# KiCad board 014_Sensor_PI_RS485 board.kicad_pcb
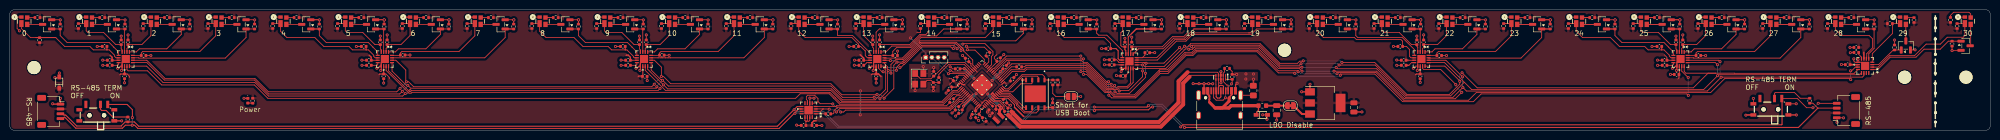
[diagram p0: board, top side]
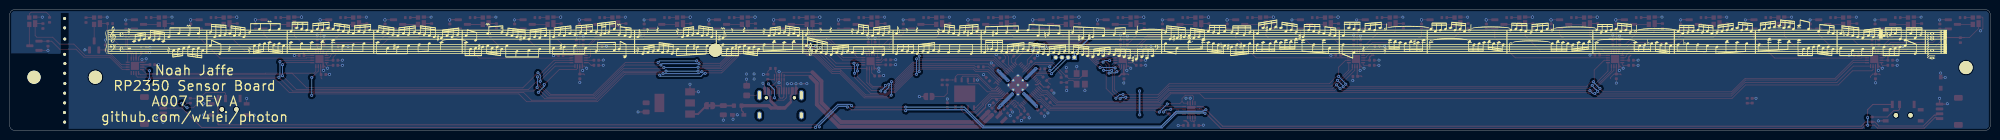
[diagram p1: board, bottom side, seen from below]

Outline 407.63 x 25 mm; copper layers: Top, Bottom. Coordinates in mm from the lower left corner of the outline.
Outline path: 0,24 arc(0.29,24.71) 1,25 406.63,25 arc(407.34,24.71) 407.63,24 407.63,1 arc(407.34,0.29) 406.63,0 1,0 arc(0.29,0.29) 0,1 0,24
Stack: Top 0.035mm / dielectric 1.51mm FR4 er 4.5 / Bottom 0.035mm

## Placement (name value [footprint] x y rotation side)
C1  10uF  [C_0805_2012Metric]  260.77 4.17 270 top
C2  4.7uF  [C_0402_1005Metric_small_pads]  201.94 4.64 225 top
C3  4.7uF  [C_0402_1005Metric_small_pads]  202.63 3.95 225 top
C4  10uF  [C_0805_2012Metric]  276.65 4.75 270 top
C5  100nF  [C_0402_1005Metric]  195.69 3.88 225 top
C6  4.7uF  [C_0402_1005Metric]  199.15 2.98 225 top
C7  4.7uF  [C_0402_1005Metric]  195.11 12.73 180 top
C8  100nF  [C_0402_1005Metric]  204.77 13.1 45 top
C9  100nF  [C_0402_1005Metric]  165.58 1.02 0 top
C10  1μF  [C_0402_1005Metric]  163.39 1.01 180 top
C13  100nF  [C_0402_1005Metric]  204.85 6.05 315 top
C14  100nF  [C_0402_1005Metric]  206.31 10.58 45 top
C15  100nF  [C_0402_1005Metric]  194.96 4.57 225 top
C16  100nF  [C_0402_1005Metric]  203.53 14.66 45 top
C17  15pF  [C_0402_1005Metric]  190.17 11.72 90 top
C18  15pF  [C_0402_1005Metric]  190.1 9.42 270 top
C19  100nF  [C_0402_1005Metric]  193.54 8.63 225 top
C20  100nF  [C_0402_1005Metric]  198.43 3.67 225 top
C21  100nF  [C_0402_1005Metric]  197.05 14.57 135 top
C22  100nF  [C_0402_1005Metric]  214.65 5.21 90 top
C401  1 uF  [C_0402_1005Metric]  20.59 14.52 180 top
C402  1 uF  [C_0402_1005Metric]  20.6 13.47 180 top
C403  1 uF  [C_0402_1005Metric]  23.63 11.18 270 top
C404  1 nF  [C_0402_1005Metric]  19.53 17.38 180 top
C405  1 nF  [C_0402_1005Metric]  22.94 18.24 90 top
C406  1 nF  [C_0402_1005Metric]  24.34 18.24 90 top
C407  1 nF  [C_0402_1005Metric]  27.55 15.5 0 top
C801  1 uF  [C_0402_1005Metric]  73.93 14.52 180 top
C802  1 uF  [C_0402_1005Metric]  73.94 13.47 180 top
C803  1 uF  [C_0402_1005Metric]  76.97 11.18 270 top
C804  1 nF  [C_0402_1005Metric]  72.87 17.38 180 top
C805  1 nF  [C_0402_1005Metric]  76.28 18.24 90 top
C806  1 nF  [C_0402_1005Metric]  77.68 18.24 90 top
C807  1 nF  [C_0402_1005Metric]  80.89 15.6 0 top
C1301  1 uF  [C_0402_1005Metric]  127.26 14.52 180 top
C1302  1 uF  [C_0402_1005Metric]  127.27 13.47 180 top
C1303  1 uF  [C_0402_1005Metric]  130.7 11.17 0 top
C1304  1 nF  [C_0402_1005Metric]  126.2 17.38 180 top
C1305  1 nF  [C_0402_1005Metric]  129.61 18.24 90 top
C1306  1 nF  [C_0402_1005Metric]  131.01 18.24 90 top
C1307  1 nF  [C_0402_1005Metric]  134.22 15.57 0 top
C1801  1 uF  [C_0402_1005Metric]  175.27 14.52 180 top
C1802  1 uF  [C_0402_1005Metric]  175.28 13.47 180 top
C1803  1 uF  [C_0402_1005Metric]  178.31 11.18 270 top
C1804  1 nF  [C_0402_1005Metric]  174.21 17.38 180 top
C1805  1 nF  [C_0402_1005Metric]  177.62 18.24 90 top
C1806  1 nF  [C_0402_1005Metric]  179.02 18.24 90 top
C1807  1 nF  [C_0402_1005Metric]  182.23 15.5 0 top
C2301  1 uF  [C_0402_1005Metric]  226.83 14.61 180 top
C2302  1 uF  [C_0402_1005Metric]  226.84 13.56 180 top
C2303  1 uF  [C_0402_1005Metric]  229.13 11.27 180 top
C2304  1 nF  [C_0402_1005Metric]  226.11 16.92 180 top
C2305  1 nF  [C_0402_1005Metric]  229.52 17.78 90 top
C2306  1 nF  [C_0402_1005Metric]  230.92 17.78 90 top
C2307  1 nF  [C_0402_1005Metric]  234.13 16.08 0 top
C2801  1 uF  [C_0402_1005Metric]  286.9 14.52 180 top
C2802  1 uF  [C_0402_1005Metric]  286.91 13.47 180 top
C2803  1 uF  [C_0402_1005Metric]  290.3 11.18 270 top
C2804  1 nF  [C_0402_1005Metric]  286.2 17.38 180 top
C2805  1 nF  [C_0402_1005Metric]  289.61 18.24 90 top
C2806  1 nF  [C_0402_1005Metric]  291.01 18.24 90 top
C2807  1 nF  [C_0402_1005Metric]  294.22 15.5 0 top
C3301  1 uF  [C_0402_1005Metric]  340.59 14.52 180 top
C3302  1 uF  [C_0402_1005Metric]  340.6 13.47 180 top
C3303  1 uF  [C_0402_1005Metric]  343.07 11.56 180 top
C3304  1 nF  [C_0402_1005Metric]  339.53 17.38 180 top
C3305  1 nF  [C_0402_1005Metric]  342.94 18.24 90 top
C3306  1 nF  [C_0402_1005Metric]  344.34 18.24 90 top
C3307  1 nF  [C_0402_1005Metric]  347.55 15.5 0 top
C3801  1 uF  [C_0402_1005Metric]  380.05 17.17 180 top
C3802  1 uF  [C_0402_1005Metric]  380.06 16.12 180 top
C3803  1 uF  [C_0402_1005Metric]  378.28 13.6 180 top
CR1  PTVSHC3D7VU  [SOD-323_L1.8-W1.3-LS2.5-RD]  257.71 3.2 0 top
CR2  PTVSHC3D7VU  [SOD-323_L1.8-W1.3-LS2.5-RD]  10.19 9.89 90 top
D3  LED GREEN  [LED_0402_1005Metric]  49 6.14 270 top
FB1  FerriteBead  [L_0603_1608Metric]  257.8 5.11 0 top
H1  MountingHole  [MountingHole_2.7mm_M2.5]  5 13 0 top
H2  MountingHole  [MountingHole_2.7mm_M2.5]  402.63 11 0 top
H3  MountingHole  [MountingHole_2.7mm_M2.5]  390 11 0 top
H4  MountingHole  [MountingHole_2.7mm_M2.5]  262.38 16.59 0 top
H3801  Mousebites to detatch last sensor  [mousebite]  396.32 12.7 0 top
J1  JST_SH  [JST_SH_SM04B-SRSS-TB_1x04-1MP_P1.00mm_Horizontal]  8.44 3.93 270 top
J2  JST_SH  [JST_SH_SM04B-SRSS-TB_1x04-1MP_P1.00mm_Horizontal]  378.03 4.1 90 top
J3  USB_C_Receptacle_USB2.0  [USB_C_Receptacle_HRO_TYPE-C-31-M-12]  249.03 4.71 0 top
J4  ~  [PinHeader_1x04_P1.27mm_Vertical]  188.52 15.11 90 top  (not fitted)
JP2  SolderJumper_2_Bridged  [SolderJumper-2_P1.3mm_Bridged_RoundedPad1.0x1.5mm]  263.59 5.11 0 top
JP101  SolderJumper_2_Open  [SolderJumper-2_P1.3mm_Open_RoundedPad1.0x1.5mm]  218.44 7.01 180 top
L1  3.3u  [L_pol_2016]  203.52 2.61 225 top
Q301  AO3400A  [SOT-23]  7.7 21.95 180 top
Q501  AO3400A  [SOT-23]  21.04 21.95 180 top
Q601  AO3400A  [SOT-23]  34.37 21.95 180 top
Q701  AO3400A  [SOT-23]  47.7 21.95 180 top
Q901  AO3400A  [SOT-23]  61.04 21.95 180 top
Q1001  AO3400A  [SOT-23]  74.37 21.95 180 top
Q1101  AO3400A  [SOT-23]  87.7 21.95 180 top
Q1201  AO3400A  [SOT-23]  101.04 21.95 180 top
Q1401  AO3400A  [SOT-23]  114.37 21.95 180 top
Q1501  AO3400A  [SOT-23]  127.7 21.95 180 top
Q1601  AO3400A  [SOT-23]  141.04 21.95 180 top
Q1701  AO3400A  [SOT-23]  154.37 21.95 180 top
Q1901  AO3400A  [SOT-23]  167.7 21.95 180 top
Q2001  AO3400A  [SOT-23]  181.04 21.95 180 top
Q2101  AO3400A  [SOT-23]  194.37 21.95 180 top
Q2201  AO3400A  [SOT-23]  207.7 21.95 180 top
Q2401  AO3400A  [SOT-23]  221.04 21.95 180 top
Q2501  AO3400A  [SOT-23]  234.37 21.95 180 top
Q2601  AO3400A  [SOT-23]  247.7 21.95 180 top
Q2701  AO3400A  [SOT-23]  261.04 21.95 180 top
Q2901  AO3400A  [SOT-23]  274.37 21.95 180 top
Q3001  AO3400A  [SOT-23]  287.7 21.95 180 top
Q3101  AO3400A  [SOT-23]  301.04 21.95 180 top
Q3201  AO3400A  [SOT-23]  314.37 21.95 180 top
Q3401  AO3400A  [SOT-23]  327.7 21.95 180 top
Q3501  AO3400A  [SOT-23]  341.04 21.95 180 top
Q3601  AO3400A  [SOT-23]  354.37 21.95 180 top
Q3701  AO3400A  [SOT-23]  367.7 21.95 180 top
Q4301  AO3400A  [SOT-23]  381.04 21.95 180 top
Q4401  AO3400A  [SOT-23]  390.25 17.58 90 top
Q4501  AO3400A  [SOT-23]  402.55 17.52 0 top
R1  1MΩ  [R_0805_2012Metric_Pad1.20x1.40mm_HandSolder]  255.96 8.23 270 top
R2  5.1 kΩ  [R_0402_1005Metric]  251.6 11.08 270 top
R3  5.1 kΩ  [R_0402_1005Metric]  250.55 12.82 180 top
R4  120 Ω  [R_0402_1005Metric]  370.47 6.14 270 top
R6  33Ω  [R_0402_1005Metric]  200.58 2.24 135 top
R7  1kΩ  [R_0402_1005Metric]  214.68 9.92 270 top
R8  10kΩ  [R_0402_1005Metric]  50.02 6.13 90 top
R11  33Ω  [R_0402_1005Metric]  205.83 4.25 135 top
R12  33Ω  [R_0402_1005Metric]  205.13 3.55 135 top
R13  22Ω  [R_0402_1005Metric]  201.33 15.77 225 top
R14  22Ω  [R_0402_1005Metric]  207.75 13.15 180 top
R17  100kΩ  [R_0402_1005Metric]  215.71 9.92 90 top
R18  1kΩ  [R_0402_1005Metric]  191.23 10.42 270 top
R19  22Ω  [R_0402_1005Metric]  193.87 6.16 45 top
R20  22Ω  [R_0402_1005Metric]  168.46 3.41 0 top
R101  120 Ω  [R_0402_1005Metric]  24.31 2.25 270 top
R102  10kΩ  [R_0402_1005Metric]  194.59 10.67 225 top
R301  100 kΩ  [R_0402_1005Metric]  10.38 21.5 90 top
R302  68 Ω  [R_0402_1005Metric]  5.7 23.35 180 top
R303  4.7 kΩ  [R_0402_1005Metric]  6.15 18.68 90 top
R501  100 kΩ  [R_0402_1005Metric]  23.72 21.5 90 top
R502  68 Ω  [R_0402_1005Metric]  19.04 23.35 180 top
R503  4.7 kΩ  [R_0402_1005Metric]  14.14 21.6 90 top
R601  100 kΩ  [R_0402_1005Metric]  37.05 21.5 90 top
R602  68 Ω  [R_0402_1005Metric]  32.37 23.35 180 top
R603  4.7 kΩ  [R_0402_1005Metric]  27.47 21.6 90 top
R701  100 kΩ  [R_0402_1005Metric]  50.38 21.5 90 top
R702  68 Ω  [R_0402_1005Metric]  45.7 23.35 180 top
R703  4.7 kΩ  [R_0402_1005Metric]  40.8 21.6 90 top
R901  100 kΩ  [R_0402_1005Metric]  63.72 21.5 90 top
R902  68 Ω  [R_0402_1005Metric]  59.04 23.35 180 top
R903  4.7 kΩ  [R_0402_1005Metric]  54.14 21.6 90 top
R1001  100 kΩ  [R_0402_1005Metric]  77.05 21.5 90 top
R1002  68 Ω  [R_0402_1005Metric]  72.37 23.35 180 top
R1003  4.7 kΩ  [R_0402_1005Metric]  67.47 21.6 90 top
R1101  100 kΩ  [R_0402_1005Metric]  90.38 21.5 90 top
R1102  68 Ω  [R_0402_1005Metric]  85.7 23.35 180 top
R1103  4.7 kΩ  [R_0402_1005Metric]  80.8 21.6 90 top
R1201  100 kΩ  [R_0402_1005Metric]  103.72 21.5 90 top
R1202  68 Ω  [R_0402_1005Metric]  99.04 23.35 180 top
R1203  4.7 kΩ  [R_0402_1005Metric]  94.14 21.6 90 top
R1401  100 kΩ  [R_0402_1005Metric]  117.05 21.5 90 top
R1402  68 Ω  [R_0402_1005Metric]  112.37 23.35 180 top
R1403  4.7 kΩ  [R_0402_1005Metric]  107.47 21.6 90 top
R1501  100 kΩ  [R_0402_1005Metric]  130.38 21.5 90 top
R1502  68 Ω  [R_0402_1005Metric]  125.7 23.35 180 top
R1503  4.7 kΩ  [R_0402_1005Metric]  120.8 21.6 90 top
R1601  100 kΩ  [R_0402_1005Metric]  143.72 21.5 90 top
R1602  68 Ω  [R_0402_1005Metric]  139.04 23.35 180 top
R1603  4.7 kΩ  [R_0402_1005Metric]  134.14 21.6 90 top
R1701  100 kΩ  [R_0402_1005Metric]  157.05 21.5 90 top
R1702  68 Ω  [R_0402_1005Metric]  152.37 23.35 180 top
R1703  4.7 kΩ  [R_0402_1005Metric]  147.47 21.6 90 top
R1901  100 kΩ  [R_0402_1005Metric]  170.38 21.5 90 top
R1902  68 Ω  [R_0402_1005Metric]  165.7 23.35 180 top
R1903  4.7 kΩ  [R_0402_1005Metric]  160.8 21.6 90 top
R2001  100 kΩ  [R_0402_1005Metric]  183.72 21.5 90 top
R2002  68 Ω  [R_0402_1005Metric]  179.04 23.35 180 top
R2003  4.7 kΩ  [R_0402_1005Metric]  174.14 21.6 90 top
R2101  100 kΩ  [R_0402_1005Metric]  197.05 21.5 90 top
R2102  68 Ω  [R_0402_1005Metric]  192.37 23.35 180 top
R2103  4.7 kΩ  [R_0402_1005Metric]  187.47 21.6 90 top
R2201  100 kΩ  [R_0402_1005Metric]  210.38 21.5 90 top
R2202  68 Ω  [R_0402_1005Metric]  205.7 23.35 180 top
R2203  4.7 kΩ  [R_0402_1005Metric]  200.8 21.6 90 top
R2401  100 kΩ  [R_0402_1005Metric]  223.72 21.5 90 top
R2402  68 Ω  [R_0402_1005Metric]  219.04 23.35 180 top
R2403  4.7 kΩ  [R_0402_1005Metric]  214.14 21.6 90 top
R2501  100 kΩ  [R_0402_1005Metric]  237.05 21.5 90 top
R2502  68 Ω  [R_0402_1005Metric]  232.37 23.35 180 top
R2503  4.7 kΩ  [R_0402_1005Metric]  227.47 21.6 90 top
R2601  100 kΩ  [R_0402_1005Metric]  250.38 21.5 90 top
R2602  68 Ω  [R_0402_1005Metric]  245.7 23.35 180 top
R2603  4.7 kΩ  [R_0402_1005Metric]  240.8 21.6 90 top
R2701  100 kΩ  [R_0402_1005Metric]  263.72 21.5 90 top
R2702  68 Ω  [R_0402_1005Metric]  259.04 23.35 180 top
R2703  4.7 kΩ  [R_0402_1005Metric]  254.14 21.6 90 top
R2901  100 kΩ  [R_0402_1005Metric]  277.05 21.5 90 top
R2902  68 Ω  [R_0402_1005Metric]  272.37 23.35 180 top
R2903  4.7 kΩ  [R_0402_1005Metric]  267.47 21.6 90 top
R3001  100 kΩ  [R_0402_1005Metric]  290.38 21.5 90 top
R3002  68 Ω  [R_0402_1005Metric]  285.7 23.35 180 top
R3003  4.7 kΩ  [R_0402_1005Metric]  280.8 21.6 90 top
R3101  100 kΩ  [R_0402_1005Metric]  303.72 21.5 90 top
R3102  68 Ω  [R_0402_1005Metric]  299.04 23.35 180 top
R3103  4.7 kΩ  [R_0402_1005Metric]  294.14 21.6 90 top
R3201  100 kΩ  [R_0402_1005Metric]  317.05 21.5 90 top
R3202  68 Ω  [R_0402_1005Metric]  312.37 23.35 180 top
R3203  4.7 kΩ  [R_0402_1005Metric]  307.47 21.6 90 top
R3401  100 kΩ  [R_0402_1005Metric]  330.38 21.5 90 top
R3402  68 Ω  [R_0402_1005Metric]  325.7 23.35 180 top
R3403  4.7 kΩ  [R_0402_1005Metric]  320.8 21.6 90 top
R3501  100 kΩ  [R_0402_1005Metric]  343.72 21.5 90 top
R3502  68 Ω  [R_0402_1005Metric]  339.04 23.35 180 top
R3503  4.7 kΩ  [R_0402_1005Metric]  334.14 21.6 90 top
R3601  100 kΩ  [R_0402_1005Metric]  357.05 21.5 90 top
R3602  68 Ω  [R_0402_1005Metric]  352.37 23.35 180 top
R3603  4.7 kΩ  [R_0402_1005Metric]  347.47 21.6 90 top
R3701  100 kΩ  [R_0402_1005Metric]  370.38 21.5 90 top
R3702  68 Ω  [R_0402_1005Metric]  365.7 23.35 180 top
R3703  4.7 kΩ  [R_0402_1005Metric]  360.8 21.6 90 top
R4301  100 kΩ  [R_0402_1005Metric]  383.72 21.5 90 top
R4302  68 Ω  [R_0402_1005Metric]  379.04 23.35 180 top
R4303  4.7 kΩ  [R_0402_1005Metric]  374.14 21.6 90 top
R4401  100 kΩ  [R_0402_1005Metric]  387.92 17.16 90 top
R4402  68 Ω  [R_0402_1005Metric]  391.93 22.84 90 top
R4403  4.7 kΩ  [R_0402_1005Metric]  386.97 22.1 0 top
R4501  100 kΩ  [R_0402_1005Metric]  399.76 17.96 270 top
R4502  68 Ω  [R_0402_1005Metric]  399.43 22.87 90 top
R4503  4.7 kΩ  [R_0402_1005Metric]  400.8 21.6 90 top
SW1  SW_SPST  [SW-TH_MSK12C02]  17.92 3.66 0 top
SW2  SW_SPST  [SW-TH_MSK12C02]  362.47 4.89 0 top
U1  RP2350_60QFN  [RP2350-QFN-60-1EP_7x7_P0.4mm_EP3.4x3.4mm_ThermalVias]  200.12 9.38 225 top
U2  NCP1117-3.3_SOT223  [SOT-223-3_TabPin2]  270.76 5.67 0 top
U3  W25Q128JVPIQ  [WSON_128JVPIQ_WIN]  211.07 7.57 270 top
U4  TPD4E05U06DQAR  [DQA0010A]  249.25 10.98 270 top
U5  THVD1424RGTR  [QFN_24RGTR_TEX]  164.42 4.19 180 top
U301  VCNT2025X01  [VCNT2025X01_VIS]  3 22.6 0 top
U401  TLA2518IRTER  [WQFN16_RTE_TEX]  23.88 14.77 270 top
U501  VCNT2025X01  [VCNT2025X01_VIS]  16.34 22.6 0 top
U601  VCNT2025X01  [VCNT2025X01_VIS]  29.67 22.6 0 top
U701  VCNT2025X01  [VCNT2025X01_VIS]  43 22.6 0 top
U801  TLA2518IRTER  [WQFN16_RTE_TEX]  77.22 14.77 270 top
U901  VCNT2025X01  [VCNT2025X01_VIS]  56.34 22.6 0 top
U1001  VCNT2025X01  [VCNT2025X01_VIS]  69.67 22.6 0 top
U1101  VCNT2025X01  [VCNT2025X01_VIS]  83 22.6 0 top
U1201  VCNT2025X01  [VCNT2025X01_VIS]  96.34 22.6 0 top
U1301  TLA2518IRTER  [WQFN16_RTE_TEX]  130.55 14.77 270 top
U1401  VCNT2025X01  [VCNT2025X01_VIS]  109.67 22.6 0 top
U1501  VCNT2025X01  [VCNT2025X01_VIS]  123 22.6 0 top
U1601  VCNT2025X01  [VCNT2025X01_VIS]  136.34 22.6 0 top
U1701  VCNT2025X01  [VCNT2025X01_VIS]  149.67 22.6 0 top
U1801  TLA2518IRTER  [WQFN16_RTE_TEX]  178.56 14.77 270 top
U1901  VCNT2025X01  [VCNT2025X01_VIS]  163 22.6 0 top
U2001  VCNT2025X01  [VCNT2025X01_VIS]  176.34 22.6 0 top
U2101  VCNT2025X01  [VCNT2025X01_VIS]  189.67 22.6 0 top
U2201  VCNT2025X01  [VCNT2025X01_VIS]  203 22.6 0 top
U2301  TLA2518IRTER  [WQFN16_RTE_TEX]  230.46 14.31 270 top
U2401  VCNT2025X01  [VCNT2025X01_VIS]  216.34 22.6 0 top
U2501  VCNT2025X01  [VCNT2025X01_VIS]  229.67 22.6 0 top
U2601  VCNT2025X01  [VCNT2025X01_VIS]  243 22.6 0 top
U2701  VCNT2025X01  [VCNT2025X01_VIS]  256.34 22.6 0 top
U2801  TLA2518IRTER  [WQFN16_RTE_TEX]  290.55 14.77 270 top
U2901  VCNT2025X01  [VCNT2025X01_VIS]  269.67 22.6 0 top
U3001  VCNT2025X01  [VCNT2025X01_VIS]  283 22.6 0 top
U3101  VCNT2025X01  [VCNT2025X01_VIS]  296.34 22.6 0 top
U3201  VCNT2025X01  [VCNT2025X01_VIS]  309.67 22.6 0 top
U3301  TLA2518IRTER  [WQFN16_RTE_TEX]  343.88 14.77 270 top
U3401  VCNT2025X01  [VCNT2025X01_VIS]  323 22.6 0 top
U3501  VCNT2025X01  [VCNT2025X01_VIS]  336.34 22.6 0 top
U3601  VCNT2025X01  [VCNT2025X01_VIS]  349.67 22.6 0 top
U3701  VCNT2025X01  [VCNT2025X01_VIS]  363 22.6 0 top
U3801  TLA2518IRTER  [WQFN16_RTE_TEX]  381.87 13.35 180 top
U4301  VCNT2025X01  [VCNT2025X01_VIS]  376.34 22.6 0 top
U4401  VCNT2025X01  [VCNT2025X01_VIS]  389.67 22.6 0 top
U4501  VCNT2025X01  [VCNT2025X01_VIS]  403 22.6 0 top
Y1  ABM8-272-T3  [Crystal_SMD_3225-4Pin_3.2x2.5mm]  187.2 10.67 270 top

## Library data of the parts
C1-C10 C13-C22 = -: ki_fp_filters: C_*
C401-C407 C801-C807 C1301-C1307 C1801-C1807 C2301-C2307 C2801-C2807 C3301-C3307 C3801-C3803 = -: Description: Unpolarized capacitor; ki_fp_filters: C_*
CR1 CR2 = -: Datasheet: https://lcsc.com/product-detail/Diodes-ESD_Shanghai-Prisemi-Elec-PTVSHC3D7VU_C110753.html; JLCPCB Part #: C20615807; LCSC Part: C110753
D3 = -: Description: GREEN Light emitting diode; Sim.Pins: 1=K 2=A; JLCPCB Part #: C130722; ki_fp_filters: LED* LED_SMD:* LED_THT:*
FB1 = -: Description: Ferrite bead; JLCPCB Part #: C1002; ki_fp_filters: Inductor_* L_* *Ferrite*
H1-H3 H3801 = -: Description: Mounting Hole without connection; ki_fp_filters: MountingHole*
H4 = -: Description: Mounting Hole without connection
J1 J2 = -: Description: Generic connector, single row, 01x04, script generated (kicad-library-utils/schlib/autogen/connector/); JLCPCB Part #: C160404; Part Number: SM04B-SRSS-TB(LF)(SN); ki_fp_filters: Connector*:*_1x??_*
J3 = -: Datasheet: https://www.usb.org/sites/default/files/documents/usb_type-c.zip; MFGR: Korean Hroparts Elec; MPN: TYPE-C-31-M-12; JLCPCB Part #: C165948; ki_fp_filters: USB*C*Receptacle*
J4 = -: Description: Generic connector, single row, 01x04, script generated (kicad-library-utils/schlib/autogen/connector/); ki_fp_filters: Connector*:*_1x??_*
JP2 = -: Description: Solder Jumper, 2-pole, closed/bridged; ki_fp_filters: SolderJumper*Bridged*
JP101 = -: Description: Solder Jumper, 2-pole, open; ki_fp_filters: SolderJumper*Open*
L1 = -: JLCPCB Part #: C42411119; ki_fp_filters: Choke_* *Coil* Inductor_* L_*
Q301 Q501 Q601 Q701 Q901 Q1001 Q1101 Q1201 Q1401 Q1501 Q1601 Q1701 Q1901 Q2001 Q2101 Q2201 Q2401 Q2501 Q2601 Q2701 Q2901 Q3001 Q3101 Q3201 Q3401 Q3501 Q3601 Q3701 Q4301 Q4401 Q4501 = -: Datasheet: http://www.aosmd.com/pdfs/datasheet/AO3400A.pdf; Description: 30V Vds, 5.7A Id, N-Channel MOSFET, SOT-23; JLCPCB Part #: C20917; ki_fp_filters: SOT?23*
R1 R6-R8 R11-R14 R17-R20 R102 = -: ki_fp_filters: R_*
R2 R3 = -: JLCPCB Part #: C25905; ki_fp_filters: R_*
R4 R101 R301-R303 R501-R503 R601-R603 R701-R703 R901-R903 R1001-R1003 R1101-R1103 R1201-R1203 R1401-R1403 R1501-R1503 R1601-R1603 R1701-R1703 R1901-R1903 R2001-R2003 R2101-R2103 R2201-R2203 R2401-R2403 R2501-R2503 R2601-R2603 R2701-R2703 R2901-R2903 R3001-R3003 R3101-R3103 R3201-R3203 R3401-R3403 R3501-R3503 R3601-R3603 R3701-R3703 R4301-R4303 R4401-R4403 R4501-R4503 = -: Description: Resistor; ki_fp_filters: R_*
SW1 SW2 = -: Datasheet: https://lcsc.com/product-detail/Toggle-Switches_SHOU-HAN-MSK12C02_C431540.html; Description: Single Pole Single Throw (SPST) switch; JLCPCB Part #: C431540; LCSC Part: C431540
U1 = -: JLCPCB Part #: C42411118
U2 = -: Datasheet: http://www.onsemi.com/pub_link/Collateral/NCP1117-D.PDF; JLCPCB Part #: C146799; Part Number: NCP1117LPST33T3G; ki_fp_filters: SOT?223*TabPin2*
U3 = -: Datasheet: http://www.winbond.com/resource-files/w25q128jv_dtr%20revc%2003272018%20plus.pdf; JLCPCB Part #: C190862; ki_fp_filters: SOIC*5.23x5.23mm*P1.27mm*
U4 = -: Datasheet: https://www.ti.com/lit/gpn/tpd4e05u06-q1; JLCPCB Part #: C138714; ki_fp_filters: DQA0010A
U5 = -: Datasheet: https://www.ti.com/lit/gpn/thvd1424; ki_fp_filters: QFN_24RGTR_TEX QFN_24RGTR_TEX-M QFN_24RGTR_TEX-L
U301 U501 U601 U701 U901 U1001 U1101 U1201 U1401 U1501 U1601 U1701 U1901 U2001 U2101 U2201 U2401 U2501 U2601 U2701 U2901 U3001 U3101 U3201 U3401 U3501 U3601 U3701 U4301 U4401 U4501 = -: Datasheet: http://www.onsemi.com/pub/Collateral/QRE1113-D.PDF; Description: Miniature Reflective Optical Object Sensor, SMD-4; ki_fp_filters: OnSemi*CASE100CY*
U401 U801 U1301 U1801 U2301 U2801 U3301 = -: JLCPCB Part #: C1855741; ki_fp_filters: WQFN16_RTE_TEX WQFN16_RTE_TEX-M WQFN16_RTE_TEX-L
U3801 = -: ki_fp_filters: WQFN16_RTE_TEX WQFN16_RTE_TEX-M WQFN16_RTE_TEX-L
Y1 = -: JLCPCB Part #: C20625731; ki_fp_filters: Crystal*

## Footprints (pads in the part's own frame, mm; a bottom-side part is the same pattern mirrored in y, then rotated)
C_0402_1005Metric
  rrect 0.56x0.62 smd: 1(-0.48,0) 2(0.48,0)
C_0402_1005Metric_small_pads
  rect 0.47x0.53 smd: 1(-0.515,0) 2(0.515,0)
C_0805_2012Metric
  rrect 1x1.45 smd: 1(-0.95,0) 2(0.95,0)
Crystal_SMD_3225-4Pin_3.2x2.5mm
  rect 1.4x1.2 smd: 1(-1.1,-0.85) 2(1.1,-0.85) 3(1.1,0.85) 4(-1.1,0.85)
DQA0010A
  rect 0.55x0.2 smd: 1(-0.425,1) 2(-0.425,0.5) 4(-0.425,-0.5) 5(-0.425,-1) 6(0.425,-1) 7(0.425,-0.5) 9(0.425,0.5) 10(0.425,1)
  rect 0.55x0.4 smd: 3(-0.425,0) 8(0.425,0)
JST_SH_SM04B-SRSS-TB_1x04-1MP_P1.00mm_Horizontal
  rrect 0.6x1.55 smd: 1(-1.5,2) 2(-0.5,2) 3(0.5,2) 4(1.5,2)
  rrect 1.2x1.8 smd: MP(-2.8,-1.875) MP(2.8,-1.875)
L_0603_1608Metric
  rrect 0.875x0.95 smd: 1(-0.787,0) 2(0.787,0)
L_pol_2016
  rect 0.7x1.7 smd: 1(-0.7,0) 2(0.7,0)
LED_0402_1005Metric
  rrect 0.59x0.64 smd: 1(-0.485,0) 2(0.485,0)
MountingHole_2.7mm_M2.5
  round 2.7 hole 2.7 unplated: (0,0)
mousebite
  round 0.6 hole 0.6 unplated: (-0.04,1.13) (-0.03,-2.99) (-0.01,6.21) (0,-0.88) (0.01,10.47) (0.01,8.52) (0.01,3.04) (0.01,-5) (0.01,-7.02) (0.01,-11) (0.05,-9.03)
PinHeader_1x04_P1.27mm_Vertical
  rect 1x1 hole 0.65: 1(0,0)
  round 1 hole 0.65: 2(0,-1.27) 3(0,-2.54) 4(0,-3.81)
QFN_24RGTR_TEX
  rect 0.813x0.254 smd: 1(-1.448,0.75) 2(-1.448,0.25) 3(-1.448,-0.25) 4(-1.448,-0.75) 9(1.448,-0.75) 10(1.448,-0.25) 11(1.448,0.25) 12(1.448,0.75)
  rect 0.254x0.813 smd: 5(-0.75,-1.448) 6(-0.25,-1.448) 7(0.25,-1.448) 8(0.75,-1.448) 13(0.75,1.448) 14(0.25,1.448) 15(-0.25,1.448) 16(-0.75,1.448)
  rect 1.753x1.753 smd: 17(0,0)
R_0402_1005Metric
  rrect 0.54x0.64 smd: 1(-0.51,0) 2(0.51,0)
R_0805_2012Metric_Pad1.20x1.40mm_HandSolder
  rrect 1.2x1.4 smd: 1(-1,0) 2(1,0)
RP2350-QFN-60-1EP_7x7_P0.4mm_EP3.4x3.4mm_ThermalVias
  rrect 1.2x1.2 smd: (-0.7,0.7) (-0.7,-0.7) (0.7,0.7) (0.7,-0.7)
  rrect 0.875x0.2 smd: 1(-3.438,2.8) 2(-3.438,2.4) 3(-3.438,2) 4(-3.438,1.6) 5(-3.438,1.2) 6(-3.438,0.8) 7(-3.438,0.4) 8(-3.438,0) 9(-3.438,-0.4) 10(-3.438,-0.8) 11(-3.438,-1.2) 12(-3.438,-1.6) 13(-3.438,-2) 14(-3.438,-2.4) 15(-3.438,-2.8) 31(3.438,-2.8) 32(3.438,-2.4) 33(3.438,-2) 34(3.438,-1.6) 35(3.438,-1.2) 36(3.438,-0.8) 37(3.438,-0.4) 38(3.438,0) 39(3.438,0.4) 40(3.438,0.8) 41(3.438,1.2) 42(3.438,1.6) 43(3.438,2) 44(3.438,2.4) 45(3.438,2.8)
  rrect 0.2x0.875 smd: 16(-2.8,-3.438) 17(-2.4,-3.438) 18(-2,-3.438) 19(-1.6,-3.438) 20(-1.2,-3.438) 21(-0.8,-3.438) 22(-0.4,-3.438) 23(0,-3.438) 24(0.4,-3.438) 25(0.8,-3.438) 26(1.2,-3.438) 27(1.6,-3.438) 28(2,-3.438) 29(2.4,-3.438) 30(2.8,-3.438) 46(2.8,3.438) 47(2.4,3.438) 48(2,3.438) 49(1.6,3.438) 50(1.2,3.438) 51(0.8,3.438) 52(0.4,3.438) 53(0,3.438) 54(-0.4,3.438) 55(-0.8,3.438) 56(-1.2,3.438) 57(-1.6,3.438) 58(-2,3.438) 59(-2.4,3.438) 60(-2.8,3.438)
  round 0.6 hole 0.25: 61(-1.375,1.375) 61(-1.375,0) 61(-1.375,-1.375) 61(0,1.375) 61(0,0) 61(0,-1.375) 61(1.375,1.375) 61(1.375,0) 61(1.375,-1.375)
  rrect 3.4x3.4 smd: 61(0,0)
SOD-323_L1.8-W1.3-LS2.5-RD
  rect 1x0.75 smd: 1(-1.17,0) 2(1.17,0)
SolderJumper-2_P1.3mm_Bridged_RoundedPad1.0x1.5mm
  custom 1x1.5 smd: 1(-0.65,0) 2(0.65,0)
SolderJumper-2_P1.3mm_Open_RoundedPad1.0x1.5mm
  custom 1x1.5 smd: 1(-0.65,0) 2(0.65,0)
SOT-23
  rrect 1.475x0.6 smd: 1(-0.938,0.95) 2(-0.938,-0.95) 3(0.938,0)
SOT-223-3_TabPin2
  rect 2x1.5 smd: 1(-3.15,2.3) 2(-3.15,0) 3(-3.15,-2.3)
  rect 2x3.8 smd: 2(3.15,0)
SW-TH_MSK12C02
  round 0.9 hole 0.9 unplated: (-1.5,-0.55) (1.5,-0.55)
  rect 0.6x1.52 smd: 1(-2.25,1.7) 2(0.75,1.7) 3(2.25,1.7)
  rect 1.2x0.7 smd: 4(-3.6,0.6) 4(-3.6,-1.7) 4(3.6,0.6) 4(3.6,-1.7)
USB_C_Receptacle_HRO_TYPE-C-31-M-12
  round 0.65 hole 0.65 unplated: (-2.9,2.04) (2.88,2.04)
  rect 0.6x1.45 smd: A1(-3.26,3.485) A4(-2.46,3.485) A9(2.44,3.485) A12(3.24,3.485) B1(3.24,3.485) B4(2.44,3.485) B9(-2.46,3.485) B12(-3.26,3.485)
  rect 0.3x1.45 smd: A5(-1.26,3.485) A6(-0.26,3.485) A7(0.24,3.485) A8(1.24,3.485) B5(1.74,3.485) B6(0.74,3.485) B7(-0.76,3.485) B8(-1.76,3.485)
  oval 1x2.1 hole 0.6x1.7: S1(-4.33,2.57) S1(4.31,2.57)
  oval 1x1.6 hole 0.6x1.2: S1(-4.33,-1.61) S1(4.31,-1.61)
VCNT2025X01_VIS
  rect 0.889x0.686 smd: 1(-0.6,0.862)
  rect 0.889x1.422 smd: 2(-0.6,-0.494)
  rect 0.889x0.889 smd: 3(0.6,0.761)
  rect 0.889x1.092 smd: 4(0.6,-0.659)
WQFN16_RTE_TEX
  rect 0.808x0.255 smd: 1(-1.471,0.75) 2(-1.471,0.25) 3(-1.471,-0.25) 4(-1.471,-0.75) 9(1.471,-0.75) 10(1.471,-0.25) 11(1.471,0.25) 12(1.471,0.75)
  rect 0.255x0.808 smd: 5(-0.75,-1.471) 6(-0.25,-1.471) 7(0.25,-1.471) 8(0.75,-1.471) 13(0.75,1.471) 14(0.25,1.471) 15(-0.25,1.471) 16(-0.75,1.471)
  rect 1.676x1.676 smd: 17(0,0)
WSON_128JVPIQ_WIN
  rect 0.96x0.433 smd: 1(-2.868,1.905) 2(-2.868,0.635) 3(-2.868,-0.635) 4(-2.868,-1.905) 5(2.868,-1.905) 6(2.868,-0.635) 7(2.868,0.635) 8(2.868,1.905)
  rect 3.454x4.343 smd: 9(0,0)
